# KiCad board nf_tpu.kicad_pcb (continued)
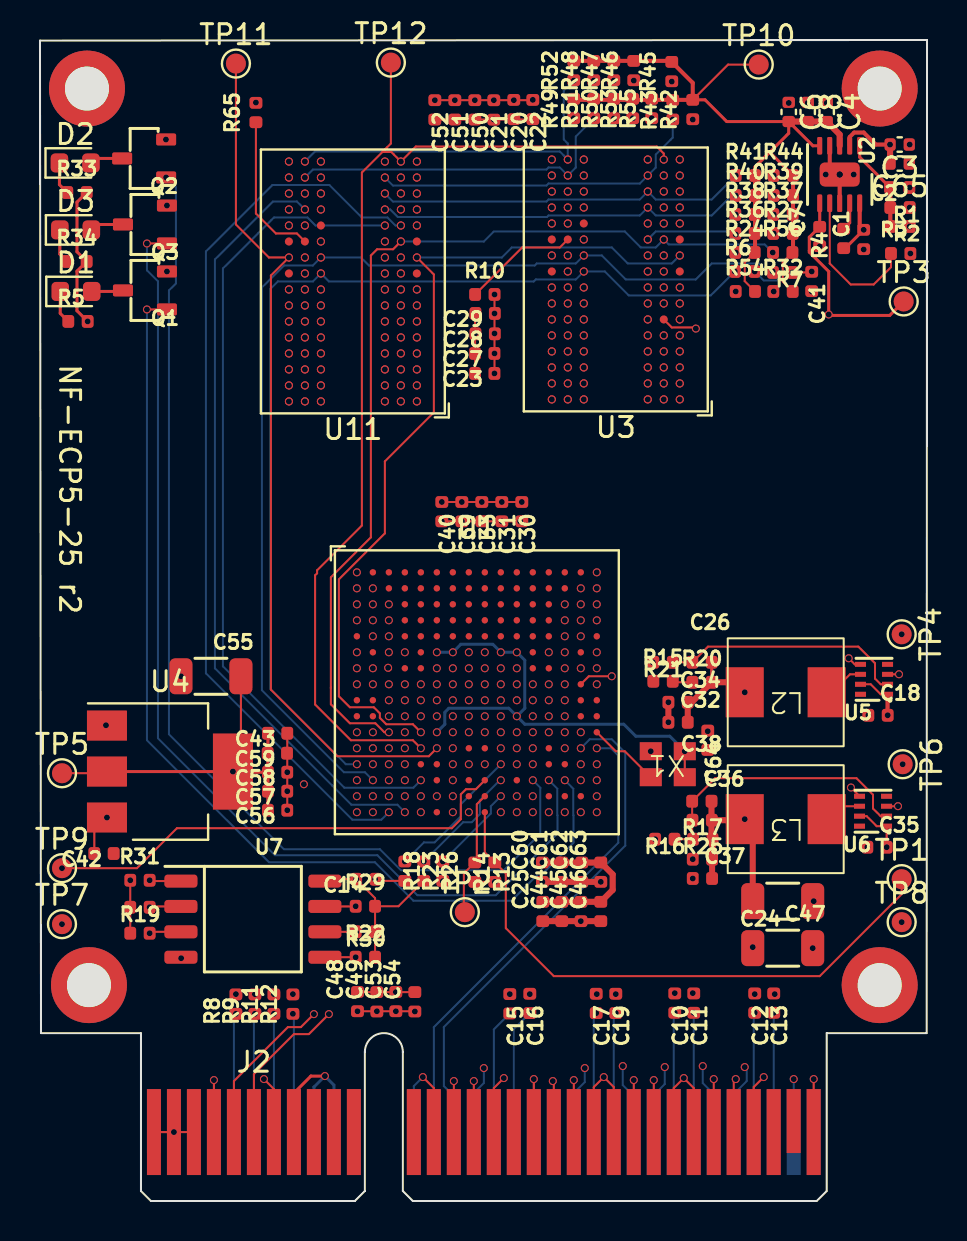
[diagram p0: board, top side]
## Routing (per net, layer and track width the routed paths; a pad name or vN(x,y) marks a point on that pad's centre or on a via; arc(x,y) is an arc through that point) (continued)
DDR3_VREF: length 122.3
  Top w0.15: U2.6 39,48.74 C7.2 38.48,48.21 38.48,47.47 39.45,46.5 v1(39.45,44.35) 39.5,44.3 42.5,44.3 TP3.1
  VCC w0.15: 29.7,45.3 28.5,46.5 28.5,47.7 27.3,48.9 v1(26.4,48.9) 25.9,48.4 13.65,48.4 v1(13.25,48.8) ; 29.7,45.3 23.29,45.3 22.91,44.93 19.53,44.93 v1(18.85,45.6) ; 29.7,45.3 31.6,45.3 v1(32,45.7) 32.7,45 ; 22.5,32.15 24.7,29.95 24.7,27.1 25.15,26.65 v1(26.25,26.65) ; 22.5,32.15 22.5,35.35 22.85,35.7 ; 22.5,32.15 18.85,28.5 18.85,27.05 18.47,26.68 v1(17.41,26.68) ; v1(15.85,20.25) 15.58,19.98 9.72,19.98 8.85,20.85 8.85,26.65 17.9,35.7 22.85,35.7 ; 32.7,45 32.75,44.95 ; 32.7,45 33.35,44.35 v1(39.45,44.35) 39.45,43.7 31.45,35.7 22.85,35.7
DDR3_VTT: length 45.5
  Top w0.1: R24.2 35.25,46.95 35.25,46.02 R54.2 ; R42.2 34.42,56.85 TP10.1 ; 31.67,55.09 R43.2 ; R56.2 37.15,46.97 37.15,46 R32.2
  Top w0.15: U2.5 38.66,52.79 C6.2 ; 36.5,52.47 37.45,53.42 C6.2 ; 36.5,52.47 35.77,51.73 R41.2 ; 36.5,52.47 R44.2 ; R42.2 33.27,55.09 34.35,54 C6.2
  Top w0.2: R41.2 35.77,47.47 R24.2 ; R56.2 37.67,47.48 R44.2 ; R52.2 R46.2 31.55,57.04 R45.2 32.65,55.94 R42.2 26.75,55.09 R49.2
  Top w0.3: 37.47,53.98 C6.2 C4.2 40,53.35 U2.3
DM0: length 23.8
  In4.Cu w0.1: v1(19.05,25.85) 17.83,27.08 14.92,27.08 11.8,30.2 11.8,42.4 12.2,42.8 13.65,42.8 v1(14.05,43.2)
DM1: length 12.7
  In2.Cu w0.1: v1(15.85,30.65) 15.45,31.05 15.45,32.55 16.7,33.8 16.7,39.1 16.6,39.2 16.6,41.75 v1(17.25,42.4)
DM2: length 20.6
  In2.Cu w0.1: v1(27.2,43.3) 26.8,42.9 26.8,39.55 25.5,38.25 25.5,28.4 25.85,28.05 25.85,27.3 26.08,27.08 26.36,27.08 26.65,26.78 26.65,24.65 v1(26.25,24.25)
DM3: length 16.6
  In2.Cu w0.1: 29.03,38.68 25.85,35.5 25.85,28.65 v1(26.25,28.25) ; 29.03,38.68 29.7,39.35 29.7,41.8 v1(30.4,42.5) ; 29.03,38.68 29.25,38.9
DQ0: length 16.9
  In2.Cu w0.1: v1(17.25,43.2) 16.35,42.3 16.35,34.05 15.2,32.9 15.2,28.1 v1(15.85,27.45)
DQ1: length 24.4
  In4.Cu w0.1: v1(14.05,44) 13.65,43.6 12.2,43.6 11.5,42.9 11.5,29.95 15.22,26.23 17.88,26.23 v1(18.25,25.85)
DQ2: length 20.5
  In2.Cu w0.1: v1(16.65,26.65) 16.25,27.05 15.3,27.05 14.85,27.5 14.85,33 16.05,34.2 16.05,42.9 16.75,43.6 17.65,43.6 v1(18.05,44)
DQ3: length 26
  In4.Cu w0.1: 11.05,30.15 11.05,29.25 14.88,25.43 17.88,25.43 v1(18.25,25.05) ; 11.05,30.15 11.05,43.47 11.98,44.4 12.85,44.4 v1(13.25,44) ; 11.05,30.15 11.05,30.1
DQ4: length 25.5
  In2.Cu w0.1: v1(17.25,45.6) 16.65,45.6 14.6,43.55 14.6,34.9 13.35,33.65 13.35,26.9 15.2,25.05 v1(17.45,25.05)
DQ5: length 28.7
  In4.Cu w0.1: v1(13.25,45.6) 12.85,46 11.95,46 10.15,44.2 10.15,28.7 14.6,24.25 v1(17.45,24.25)
DQ6: length 25.4
  In2.Cu w0.1: v1(18.05,44.8) 17.65,45.2 16.8,45.2 14.95,43.35 14.95,34.75 13.75,33.55 13.75,27.05 15.45,25.35 16.95,25.35 v1(17.45,25.85)
DQ7: length 29.5
  In4.Cu w0.1: v1(19.05,25.05) 18.65,24.65 14.9,24.65 10.6,28.95 10.6,30.3 ; v1(14.05,45.6) 13.65,45.2 12.05,45.2 10.6,43.75 10.6,30.3 ; 10.6,30.3 10.6,30.2
DQ8: length 16.5
  In4.Cu w0.1: v1(17.45,29.05) 17.45,29.32 17.03,29.74 17.03,30.01 16.76,30.28 15.69,30.28 15.15,30.82 15.15,37.66 16.14,38.65 16.14,40.86 14.6,42.4 v1(14.05,42.4)
DQ9: length 12.5
  In2.Cu w0.1: v1(15.85,29.85) 16.25,30.25 16.25,32.65 17.1,33.5 17.1,39.15 16.85,39.4 16.85,41.2 v1(17.25,41.6)
DQ10: length 17.9
  In4.Cu w0.1: v1(13.25,41.6) 13.65,42 14.55,42 15.75,40.8 15.75,38.95 14.8,38 14.8,30.37 15.72,29.45 16.85,29.45 17.05,29.25 17.05,28.65 v1(17.45,28.25)
DQ11: length 12.4
  In2.Cu w0.1: v1(16.65,29.85) 17.45,30.65 17.45,32.25 17.75,32.55 17.75,38.9 17.65,39 17.65,41.2 v1(18.05,41.6)
DQ12: length 15.9
  In4.Cu w0.1: v1(14.05,40) 14.05,39.25 13.6,38.8 13.6,30.05 15.33,28.33 ; 15.33,28.33 15.4,28.25 16.1,28.25 16.5,27.85 17.85,27.85 v1(18.25,27.45) ; 15.33,28.33 15.3,28.35
DQ13: length 10.5
  In2.Cu w0.1: 18.1,38.85 18.1,32.4 17.85,32.15 17.85,30.25 v1(17.45,29.85) ; 18.1,38.85 18.05,38.9 v1(18.05,40) ; 18.1,38.85 18.1,38.95
DQ14: length 16.4
  In4.Cu w0.1: v1(17.45,27.45) 16.38,27.45 16.01,27.83 15.17,27.83 13.2,29.8 13.2,39.25 13.65,39.7 13.65,40.4 13.4,40.65
  vias: v1(13.25,40.8)
DQ15: length 9.7
  In2.Cu w0.1: v1(16.65,30.65) 16.65,32.4 17.4,33.15 17.4,39.85 v1(17.25,40)
DQ16: length 19.5
  In4.Cu w0.1: v1(30.4,43.3) 30.8,42.9 32.25,42.9 32.45,42.7 32.45,35.3 29.95,32.8 29.95,29.55 v1(27.85,27.45)
DQ17: length 20.6
  In2.Cu w0.1: v1(27.2,44.1) 26.8,43.7 25.3,43.7 25.05,43.45 25.05,36.45 25.15,36.35 25.15,33.25 25.01,33.11 25.01,27.09 v1(26.25,25.85)
DQ18: length 21.8
  Top w0.1: U3.F2 31.6,43.7 32.75,43.7 v1(32.81,43.64)
  In4.Cu w0.1: v1(32.81,43.64) 32.81,34.91 30.3,32.4 30.3,28.85 28.5,27.05 27.45,27.05 v1(27.05,26.65)
DQ19: length 20.8
  In2.Cu w0.1: v1(25.45,25.85) 24.55,26.75 24.55,33.18 24.83,33.46 24.83,35.88 24.55,36.15 24.55,43.65 25.4,44.5 26,44.5 v1(26.4,44.1)
DQ20: length 30.5
  In4.Cu w0.1: v1(25.45,25.05) 25.85,24.65 29,24.65 32,27.65 32,31.45 34.33,33.78 34.33,44.37 32.6,46.1 30.8,46.1 v1(30.4,45.7)
DQ21: length 21.7
  In2.Cu w0.1: v1(24.65,25.85) 24.65,26.08 24.25,26.48 24.25,28.35 24.05,28.55 24.05,33.3 24.5,33.75 24.5,35.5 24.2,35.8 24.2,44.1 25.4,45.3 26,45.3 v1(26.4,45.7)
DQ22: length 27.2
  In4.Cu w0.1: v1(31.2,44.9) 31.6,45.3 32.85,45.3 34,44.15 34,34.15 31.6,31.75 31.6,28.47 30.25,27.12 30.25,26.6 28.7,25.05 v1(26.25,25.05)
DQ23: length 24.6
  In2.Cu w0.1: v1(24.65,25.05) 24.25,25.45 24.25,26.1 24.12,26.23 23.74,26.23 23.47,26.49 23.47,33.39 23.54,33.45 23.54,44.29 25.35,46.1 26.8,46.1 v1(27.2,45.7)
DQ24: length 18.2
  In4.Cu w0.1: v1(26.25,27.45) 27.28,27.45 29.55,29.72 29.55,40.43 27.48,42.5 v1(27.2,42.5)
DQ25: length 14
  In2.Cu w0.1: 30,39.4 30,39.05 29.3,38.35 29.3,38.35 ; 30,39.4 30,41.3 v1(30.4,41.7) ; 30,39.4 30,39.2 ; v1(26.25,29.85) 26.25,35.3 29.3,38.35 ; 29.3,38.35 29.45,38.5
DQ26: length 18.9
  In4.Cu w0.1: v1(25.45,27.45) 25.85,27.85 27.26,27.85 29.2,29.79 29.2,40.27 27.37,42.1 26.8,42.1 v1(26.4,41.7)
DQ27: length 14.1
  In2.Cu w0.1: v1(27.05,29.85) 27.45,30.25 27.45,34.6 31.6,38.75 31.6,39.3 ; v1(31.2,41.7) 31.6,41.3 31.6,39.3 ; 31.6,39.3 31.6,39.1
DQ28: length 10.1
  In4.Cu w0.1: v1(27.85,30.65) 28.25,31.05 28.25,31.85 27.9,32.2 27.9,39.35 27.2,40.05 v1(27.2,40.1)
DQ29: length 11.2
  In2.Cu w0.1: v1(27.05,30.65) 27.05,34.95 29.05,36.95 ; v1(31.2,40.1) 31.2,39.1 29.05,36.95 ; 29.05,36.95 29.1,37
DQ30: length 11.7
  In4.Cu w0.1: v1(26.4,40.9) 26.8,40.5 26.8,39.65 27.45,39 27.45,30.25 v1(27.85,29.85)
DQ31: length 12.9
  In2.Cu w0.1: v1(30.4,40.1) 30.4,38.85 29.83,38.28 ; 29.83,38.28 29.9,38.35 ; 29.83,38.28 28.85,37.3 28.85,37.25 26.65,35.05 26.65,29.45 v1(26.25,29.05)
DQS0+: length 20
  In2.Cu w0.1: v1(17.25,44) 17.2,44.05 16.6,44.05 15.67,43.13 15.67,34.43 14.47,33.23 14.47,27.27 15.1,26.65 v1(15.85,26.65)
DQS0-: length 22.3
  In2.Cu w0.1: v1(17.25,44.8) 17.03,44.58 16.63,44.58 15.33,43.27 15.33,34.57 14.12,33.37 14.12,27.13 15,26.25 16.25,26.25 v1(16.65,25.85)
DQS1+: length 14.5
  In4.Cu w0.1: v1(14.05,41.6) 14.5,41.6 15.4,40.7 15.4,39.65 14.38,38.63 14.38,30.3 15.62,29.05 v1(15.85,29.05)
DQS1-: length 15.5
  In4.Cu w0.1: v1(14.05,40.8) 14.28,41.03 14.58,41.03 15.05,40.55 15.05,39.85 14.03,38.83 14.03,30.18 15.54,28.66 16.24,28.66 v1(16.65,28.25)
DQS2+: length 23.5
  In4.Cu w0.1: v1(27.85,26.65) 29.15,26.65 30.78,28.28 30.78,32.07 33.25,34.55 33.25,43.91 33.03,44.13 32.69,44.13 32.26,43.7 30.8,43.7 v1(30.4,44.1)
DQS2-: length 25.5
  Top w0.1: v1(28.6,26.25) 27.45,26.25 U1.H15
  In4.Cu w0.1: v1(28.6,26.25) 29.25,26.25 30.03,27.03 30.03,27.21 31.12,28.31 31.12,31.83 33.6,34.3 33.6,44.06 33.16,44.5 30.8,44.5 v1(30.4,44.9)
DQS3+: length 13.8
  In4.Cu w0.1: v1(27.85,29.05) 28,29.05 28.85,29.9 28.85,40.05 v1(27.2,41.7)
DQS3-: length 14
  In4.Cu w0.1: v1(27.2,40.9) 28.4,39.7 28.4,32.35 28.55,32.2 28.55,29.98 28.02,29.45 27.68,29.45 27.45,29.22 27.45,28.65 v1(27.05,28.25)
ext_clk: length 3.6
  Top w0.1: U1.L16 28.8,22.5 29.25,22.5 X1.3
FPGA_DONE: length 23.7
  Top w0.1: U1.P9 21.8,20.6 21.31,20.6 21.05,20.34 21.05,19.1 20.6,18.65 6.85,18.65 4.85,16.65 v1(1.1,16.65)
JTAG_TCK: length 17.7
  Top w0.1: R8.2 v1(9.8,10.35)
  In4.Cu w0.1: v1(23.05,19.45) 23.05,18.3 16.3,11.55 11,11.55 v1(9.8,10.35)
JTAG_TDI: length 18.3
  Top w0.1: R9.2 v1(10.75,10.35)
  In4.Cu w0.1: v1(10.75,10.35) 11.4,11 16.4,11 23.45,18.05 23.45,19.85 v1(23.85,20.25)
JTAG_TDO: length 23.8
  Top w0.1: R11.2 v1(11.7,10.35)
  In4.Cu w0.1: v1(11.7,10.35) 11.3,9.95 9.55,9.95 9.35,10.15 9.35,10.5 11.65,12.8 16.35,12.8 19.97,16.42 20.33,16.42 22.65,18.74 22.65,22.25 v1(23.05,22.65)
JTAG_TMS: length 15.8
  Top w0.1: R12.2 v1(12.65,10.35)
  In4.Cu w0.1: v1(12.65,10.35) 16.1,10.35 23.85,18.1 v1(23.85,19.45)
ODT: length 48.7
  Top w0.1: v1(19.05,23.45) 18.65,23.85 17.32,23.85 17,24.17 17,24.39 16.69,24.7 15.5,24.7 14.95,25.25 14.95,31.1 17.25,33.4 17.25,37 19.7,39.45 19.7,46.35 v1(18.85,47.2) ; R32.1 v1(36.7,45.5)
  In2.Cu w0.1: v1(32,47.3) 32.4,46.9 34.95,46.9 35.25,46.6 35.25,46.35 35.67,45.93 36.28,45.93 v1(36.7,45.5)
  Bottom w0.1: v1(18.85,47.2) 23.1,47.2 23.6,47.7 28.6,47.7 29.4,46.9 31.6,46.9 v1(32,47.3)
pcie_12v: length 4
  Top w0.1: J2.A3 J2.B1 v1(6.7,3.45)
  Bottom w0.1: v1(6.7,3.45) J2.A3
pcie_r0+: length 24
  Top w0.1: J2.B14 v1(20.7,6)
  In2.Cu w0.1: v1(20.7,6) 21.03,6.33 21.03,16.82 22.08,17.87 22.08,20.23 22.65,20.8 22.65,21.22 22.88,21.45 27.45,21.45 v1(27.85,21.85)
pcie_r0-: length 22.3
  Top w0.1: J2.B15 v1(21.7,6)
  In2.Cu w0.1: v1(21.7,6) 21.38,6.33 21.38,16.82 22.42,17.87 22.42,20.19 22.88,20.65 26.65,20.65 v1(27.05,21.05)
pcie_r1+: length 18.8
  Top w0.1: v1(25.65,6) 25.7,5.95 J2.B19
  In2.Cu w0.1: v1(25.65,6) 26.03,6.38 26.03,17.47 26.88,18.32 26.88,18.88 26.65,19.1 26.65,20.05 27.65,21.05 v1(27.85,21.05)
pcie_r1-: length 17.5
  Top w0.1: J2.B20 v1(26.7,6.05)
  In2.Cu w0.1: v1(27.85,20.25) 27.45,19.85 27.45,19.1 27.22,18.88 27.22,18.18 26.38,17.33 26.38,6.38 v1(26.7,6.05)
pcie_r2+: length 24.9
  Top w0.1: J2.B23 v1(29.7,6.05)
  In2.Cu w0.1: v1(29.7,6.05) 29.8,6.15 29.8,20.55 28.1,22.25 26.85,22.25 26.47,21.87 25.67,21.87 25.05,22.48 25.05,23.85 v1(24.65,24.25)
pcie_r2-: length 25.5
  Top w0.1: J2.B24 v1(30.7,6.05)
  In2.Cu w0.1: v1(25.45,24.25) 25.85,23.85 25.85,22.44 26.09,22.2 26.4,22.2 26.65,22.45 26.65,22.82 26.88,23.05 28.02,23.05 28.25,22.82 28.25,22.55 30.15,20.65 30.15,6.6 v1(30.7,6.05)
pcie_r3+: length 25.6
  Top w0.1: J2.B27 v1(33.7,6.1)
  In2.Cu w0.1: v1(33.7,6.1) 34.08,6.48 34.08,17.73 27.95,23.85 26.88,23.85 26.65,23.62 26.65,23.28 26.25,22.88 v1(26.25,22.65)
pcie_r3-: length 25.8
  Top w0.1: J2.B28 34.7,6 v1(34.8,6.1)
  In2.Cu w0.1: v1(34.8,6.1) 34.42,6.48 34.42,17.83 28.1,24.15 26.72,24.15 26.25,23.68 v1(26.25,23.45)
pcie_refclk+: length 23.9
  Bottom w0.1: J2.A13 19.7,8.7 28.92,17.92 28.92,22.28 28.55,22.65 v1(27.85,22.65)
pcie_refclk-: length 25.6
  Bottom w0.1: v1(27.05,22.65) 27.5,23.1 28.6,23.1 29.28,22.42 29.28,17.78 20.2,8.7 20.2,5.75 20.7,5.25 J2.A14
pcie_smclk: length 26.8
  Top w0.1: J2.B5 9.7,6 12.4,8.7 13.05,8.7 v1(13.7,9.35)
  VCC w0.1: v1(13.7,9.35) 16.05,11.7 18.4,11.7 21.05,14.35 21.05,16.1 23.47,18.52 23.45,18.53 23.45,22.25 v1(23.85,22.65)
pcie_smdat: length 25.9
  Top w0.1: v1(14.45,9.35) 13.45,8.35 12.7,8.35 10.7,6.35 J2.B6
  VCC w0.1: v1(23.85,21.85) 24.25,21.45 24.25,18.7 21.35,15.8 21.35,14.15 18.55,11.35 16.3,11.35 14.45,9.5 v1(14.45,9.35)
pcie_t0+: length 10.7
  Top w0.1: C15.1 v1(23.5,10.35)
  In4.Cu w0.1: v1(23.5,10.35) 23.5,16.85 25.05,18.4 25.05,19.85 v1(24.65,20.25)
pcie_t0-: length 9.8
  Top w0.1: C16.1 v1(24.5,10.35)
  In4.Cu w0.1: v1(25.45,19.45) 25.45,17.95 24.17,16.68 24.17,10.68 v1(24.5,10.35)
pcie_t1+: length 10
  Top w0.1: v1(27.85,10.35) 27.83,10.37 C17.1
  In4.Cu w0.1: v1(26.25,19.45) 26.47,19.23 26.47,15.43 28.15,13.75 28.15,10.65 v1(27.85,10.35)
pcie_t1-: length 10
  Top w0.1: C19.1 v1(28.8,10.35)
  In4.Cu w0.1: v1(27.05,19.45) 26.83,19.23 26.83,15.57 28.5,13.9 28.5,10.65 v1(28.8,10.35)
pcie_t2+: length 16.8
  Top w0.1: C10.1 v1(31.75,10.4)
  In4.Cu w0.1: v1(24.65,22.65) 25.85,21.45 28.6,21.45 29.62,20.43 29.62,16.48 30.17,15.94 30.17,11.98 v1(31.75,10.4)
pcie_t2-: length 19.3
  Top w0.1: v1(32.65,10.4) 32.67,10.38 C11.1
  In4.Cu w0.1: v1(24.65,21.85) 24.25,22.25 24.25,22.82 24.48,23.05 24.82,23.05 25.62,22.25 28.3,22.25 29.97,20.57 29.97,16.55 30.41,16.12 30.41,12.64 v1(32.65,10.4)
pcie_t3+: length 20
  Top w0.1: C12.1 v1(35.75,10.35)
  In4.Cu w0.1: v1(35.75,10.35) 36.08,10.68 36.08,15.43 28.45,23.05 25.28,23.05 24.88,23.45 v1(24.65,23.45)
pcie_t3-: length 20
  Top w0.1: v1(36.75,10.35) 36.72,10.38 C13.1
  In4.Cu w0.1: v1(36.75,10.35) 36.42,10.68 36.42,15.57 28.15,23.85 25.85,23.85 v1(25.45,23.45)
QSPI0_CLK: length 13
  Top w0.1: v1(15.81,13.45) 15.79,13.47 R30.2 15.79,13.47 U7.6
  In2.Cu w0.1: v1(15.81,13.45) 16.25,13.45 19.7,16.9 19.7,17.21 21.21,18.72 21.21,19.09 21.06,19.24 21.06,19.66 22.25,20.85 v1(22.25,21.85)
QSPI0_CS_N: length 22.9
  Top w0.1: v1(5.48,16.05) 5.53,16.01 U7.1
  In2.Cu w0.1: v1(21.45,21.85) 21.45,22.46 20.86,23.05 20.45,23.05 20.25,22.85 20.25,22.48 19.45,21.68 19.45,19.25 19.25,19.05 18.71,19.05 17.97,18.31 7.75,18.31 v1(5.48,16.05)
QSPI0_D0: length 11.5
  Top w0.1: U7.5 v1(15.79,12.2)
  In2.Cu w0.1: v1(21.45,19.45) 21.45,17.6 20.28,16.43 19.97,16.43 19.72,16.18 19.45,16.18 15.79,12.52 v1(15.79,12.2)
QSPI0_D1: length 19.7
  Top w0.1: v1(5.48,14.7) 5.52,14.74 U7.2
  In2.Cu w0.1: v1(5.48,14.7) 6.08,14.1 16.15,14.1 18.76,16.71 18.76,17.26 20.65,19.14 v1(20.65,19.45)
QSPI0_D2: length 23.6
  Top w0.1: v1(5.48,13.4) 5.56,13.47 U7.3
  In2.Cu w0.1: v1(5.48,13.4) 5.08,13.8 5.08,14.89 6.85,16.65 16.89,16.65 18.9,18.66 19.35,18.66 19.69,19 19.69,19.45 20.26,20.02 20.26,22.04 20.65,22.42 v1(20.65,22.65)
QSPI0_D3: length 11.5
  Top w0.1: U7.7 15.78,14.74 v1(15.79,14.75)
  In2.Cu w0.1: v1(15.79,14.75) 15.98,14.75 17.8,16.57 17.8,17.21 18.09,17.5 18.53,17.5 20.25,19.22 20.25,19.64 20.46,19.85 20.8,19.85 21.04,20.09 21.04,21.46 v1(20.65,21.85)
RAS_N: length 52.1
  Top w0.1: R24.1 v1(34.8,47.45)
  In4.Cu w0.1: 10.28,28.08 9.85,28.5 9.85,32.4 ; 10.28,28.08 14.45,23.9 16.2,23.9 v1(16.65,23.45) ; 10.28,28.08 10.3,28.05 ; 9.85,32.4 9.85,32.24 ; 9.85,32.4 9.85,44.8 11.85,46.8 16.85,46.8 v1(17.25,46.4) 17.65,46 18.3,46 18.4,46.1 30,46.1 v1(30.4,46.5) 30.8,46.9 34.25,46.9 v1(34.8,47.45)
RESET_N: length 54.9
  Top w0.1: 17.12,52.48 17.58,52.48 v1(18.05,52) 18.8,52.75 30.85,52.75 31.2,52.4 v1(31.2,52.1) ; 17.12,52.48 17.55,52.9 TP12.1 ; 17.12,52.48 16.1,51.45 16.1,33.79 13.86,31.55 13.86,31.4 13.76,31.3 13.76,24.84 15.55,23.05 18.65,23.05 v1(19.05,22.65)
USR_LED0: length 53.2
  Bottom w0.1: v1(24.65,21.05) 25.03,20.68 25.03,18.38 23.2,16.55 18.05,16.55 17,17.6 12.2,17.6 6.45,23.35 6.45,45.55 6.8,45.9 6.8,50.71 v1(6.31,51.2)
USR_LED1: length 53.3
  Top w0.1: Q3.1 v1(5.35,47.9)
  Bottom w0.1: v1(25.45,21.05) 25.88,20.63 25.88,19.29 25.89,19.28 25.89,18.39 22.8,15.3 18.88,15.3 16.88,17.3 11.75,17.3 5.9,23.15 5.9,46.01 5.35,46.56 v1(5.35,47.9)
USR_LED2: length 51.8
  Top w0.1: Q1.1 v1(5.35,44.6)
  Bottom w0.1: 25.05,16.39 25.15,16.39 ; 25.05,16.39 24.95,16.39 23.58,15.02 18.68,15.02 16.75,16.95 11.45,16.95 5.35,23.05 v1(5.35,44.6) ; 25.05,16.39 25.15,16.39 ; 25.15,16.39 26.69,17.92 26.69,19.28 26.67,19.29 26.67,20.63 v1(26.25,21.05)
WE_N: length 54.6
  Top w0.1: R36.1 34.78,48.37 v1(34.8,48.35)
  In4.Cu w0.1: v1(16.65,22.65) 16.25,23.05 14.55,23.05 9.2,28.4 9.2,45.5 12.1,48.4 16.57,48.4 16.97,48 v1(17.25,48) 17.65,47.6 24.9,47.6 25,47.7 30,47.7 v1(30.4,48.1)
  Bottom w0.1: v1(30.4,48.1) 30.8,48.5 34.65,48.5 v1(34.8,48.35)
Net-(C41-Pad1): length 3.2
  Top w0.1: v1(37.64,46.45) 38.52,46.45 38.57,46.5 v1(38.6,46.5) ; R6.2 v1(35.75,46.5)
  Bottom w0.1: v1(35.75,46.5) 36.2,46.05 37.23,46.05 v1(37.64,46.45)
Net-(D1-Pad1): length 1.7
  Top w0.15: R5.1 1.01,44.4 D1.1
Net-(D2-Pad1): length 1.6
  Top w0.15: D2.1 0.97,50.84 R33.1
Net-(D3-Pad1): length 1.7
  Top w0.15: R34.1 0.99,47.37 D3.1
Net-(J2-JTAG2): length 6
  Bottom w0.1: J2.A5 9.7,9.27 v1(9.8,9.37)
Net-(J2-JTAG3): length 5.9
  Bottom w0.1: v1(10.75,9.37) 10.7,9.32 J2.A6
Net-(J2-JTAG4): length 5.9
  Bottom w0.1: J2.A7 v1(11.7,9.37)
Net-(J2-JTAG5): length 5.9
  Bottom w0.1: v1(12.65,9.37) 12.7,9.32 J2.A8
Net-(J2-PERn0): length 6.3
  Bottom w0.1: J2.A17 23.7,8.6 v1(24.5,9.4)
Net-(J2-PERn1): length 6
  Bottom w0.1: v1(28.8,9.4) 28.7,9.3 J2.A22
Net-(J2-PERn2): length 6
  Bottom w0.1: J2.A26 v1(32.7,9.42)
Net-(J2-PERn3): length 6
  Bottom w0.1: J2.A30 v1(36.7,9.42)
Net-(J2-PERp0): length 6.3
  Bottom w0.1: v1(23.5,9.38) 22.7,8.58 J2.A16
Net-(J2-PERp1): length 6
  Bottom w0.1: J2.A21 27.7,9.28 v1(27.82,9.4)
Net-(J2-PERp2): length 6
  Bottom w0.1: J2.A25 31.7,9.37 v1(31.75,9.42)
Net-(J2-PERp3): length 6
  Bottom w0.1: J2.A29 35.7,9.37 v1(35.75,9.42)
Net-(Q1-D): length 1.7
  Top w0.1: 2.79,45.55 2.74,45.5
  Top w0.15: Q1.3 4.1,45.5 D1.2
Net-(Q2-D): length 1.7
  Top w0.15: D2.2 2.77,52.15 Q2.3
Net-(Q3-D): length 1.7
  Top w0.15: Q3.3 2.84,48.85 D3.2
Net-(R15-Pad2): length 1
  Top w0.1: R15.2 31.7,25.95 R20.1
Net-(U1H-CFG_0): length 7.2
  Top w0.1: R18.1 v1(18.25,16.99)
  Bottom w0.1: v1(23.05,21.85) 21.05,19.85 21.05,19.25 19.74,17.94 19.21,17.94 v1(18.25,16.99)
Net-(U1H-CFG_1): length 5.9
  Bottom w0.1: v1(19.2,16.99) 21.17,18.95 21.6,18.95 22,19.35 22,20.05 23,21.05 v1(23.05,21.05)
Net-(U1H-CFG_2): length 4.5
  Bottom w0.1: v1(23.05,20.25) 22.55,19.75 22.55,19.39 v1(20.15,16.99)
Net-(U1H-INITN): length 29.6
  Top w0.1: 43,16.1 TP1.1 43.1,15.35 39,11.25 25.7,11.25 23.3,13.65 23.3,16.39 R13.1 22.25,17.44 U1.T9
Net-(U1H-PROGRAMN): length 6.3
  Top w0.1: TP2.1 21.2,14.5 21.2,16.39 R14.1 21.85,17.04 21.85,19.85 U1.R9
Net-(U2-EN): length 7.6
  Top w0.1: U2.7 39.5,46.9 40.55,45.85 41.7,45.85 42.56,46.72 R3.1
Net-(U2-PGOOD): length 1.4
  Top w0.15: R4.2 40.5,48.93 U2.9
Net-(U2-REFIN): length 4.7
  Top w0.15: C2.2 41,52.22 U2.1
  Top w0.2: R2.2 42.53,50.69 C2.2
Net-(U3-ZQ): length 5.8
  Top w0.1: R10.1 24.11,47.7 26,47.7 U3.L8
Net-(U5-FB): length 13.7
  Top w0.1: R15.1 30.7,26 R21.1 C26.1 33.41,27.73 40.93,27.73 41.77,26.9 41.77,26.13 42.05,25.85 U5.2
Net-(U5-SW): length 1.8
  Top w0.1: 39.62,25.45 40.51,26.35 U5.6
Net-(U6-FB): length 14.2
  Top w0.1: U6.2 42.05,19.25 41.67,19.63 41.67,20.32 40.84,21.15 33.77,21.15 C36.1 32.62,18.15 R25.2 R16.1
Net-(U6-SW): length 3
  Top w0.1: 38.7,19.1 39.49,19.9 ; 39.96,19.71 L3.1 ; 41.1,19.75 40.06,19.75
Net-(U11-ZQ): length 7.6
  Top w0.1: U11.L8 12.85,48.4 11.8,48.4 10.8,49.4 R65.1
unconnected-(U1E-PR26B/-/PCLKC3_1/HS/RDQ32-PadL15):
  vias: v1(27.05,23.45)
unconnected-(U1F-PL35C/+/LDQ32-PadM4):
  vias: v1(18.25,22.65)
unconnected-(U1H-PB4B/-/D6/IO6-PadR6):
  vias: v1(19.85,20.25)
unconnected-(U1H-PB6A/+/D5/MISO2/IO5-PadR7):
  vias: v1(20.65,20.25)
unconnected-(U1H-PB6B/-/D4/MOSI2/IO4-PadP7):
  vias: v1(20.65,21.05)

## Copper pours and planes (outline as drawn; the poured copper is in the pictures)
GND on GND: -21.1,88.4 -21.9,-9.1 74.1,-6.8 68.2,87.7
GND on GND: -9.9,61 -10.8,-7.3 62.7,-9.5 59.4,63.6
VCC3V3 on VCC: -1.55,24.55 -1.85,-3.45 51.05,-3.25 51.05,24.15
VCCDDR3 on VCC: 46.85,24.8 46.2,59.85 -1.45,59.85 -1.6,25.15

## Text on the board
B.Silkscreen: netforce.com/hw | NF-ECP5-25
F.Silkscreen: NF-ECP5-25 r2
